# Altium PCB powerboard1.PcbDoc
Units mm, origin at the board's own origin, x right, y up, seen from the top; angles counter-clockwise.
Board outline 92 x 120 mm, 2 copper layers (Top Layer, Bottom Layer), stack 1.53 mm thick; 88 components, 61 nets, 381 pads, 82 vias.
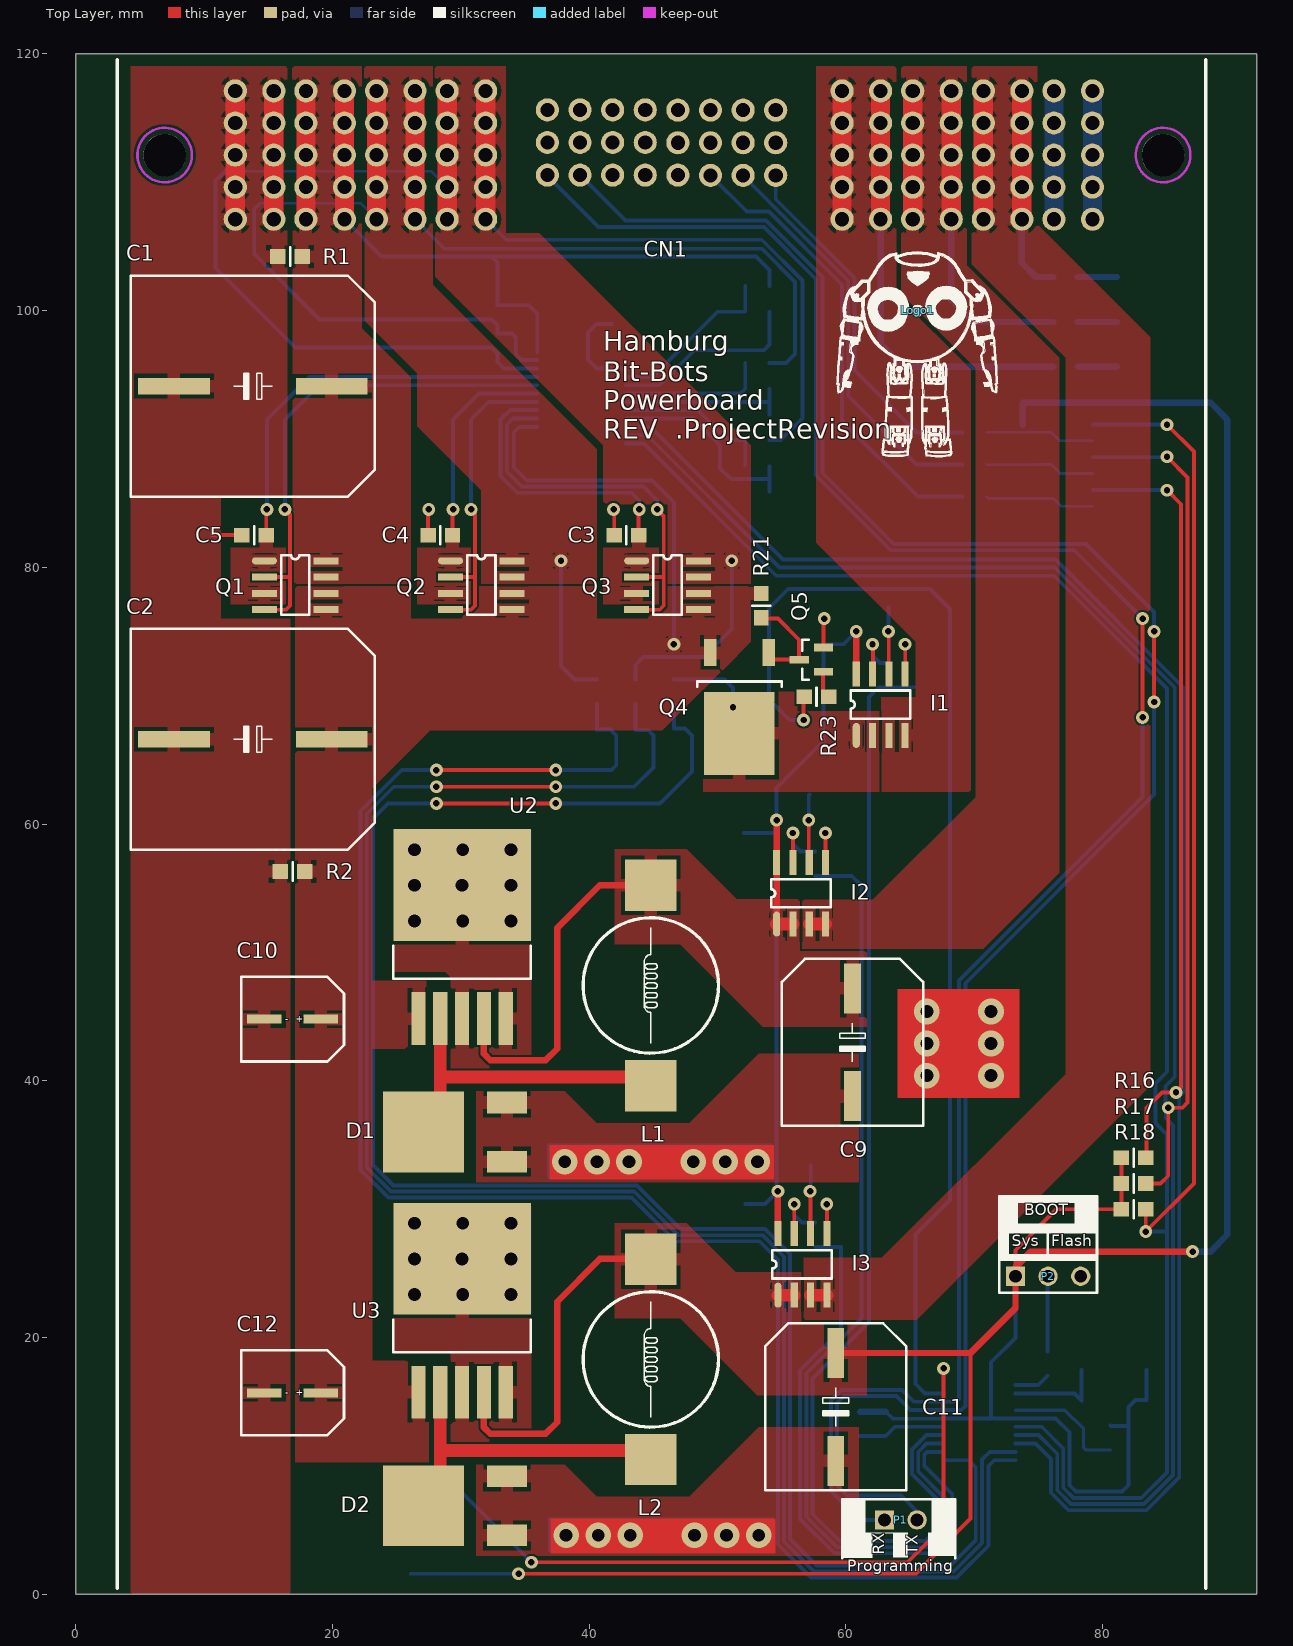
[diagram p0: Top Layer view]
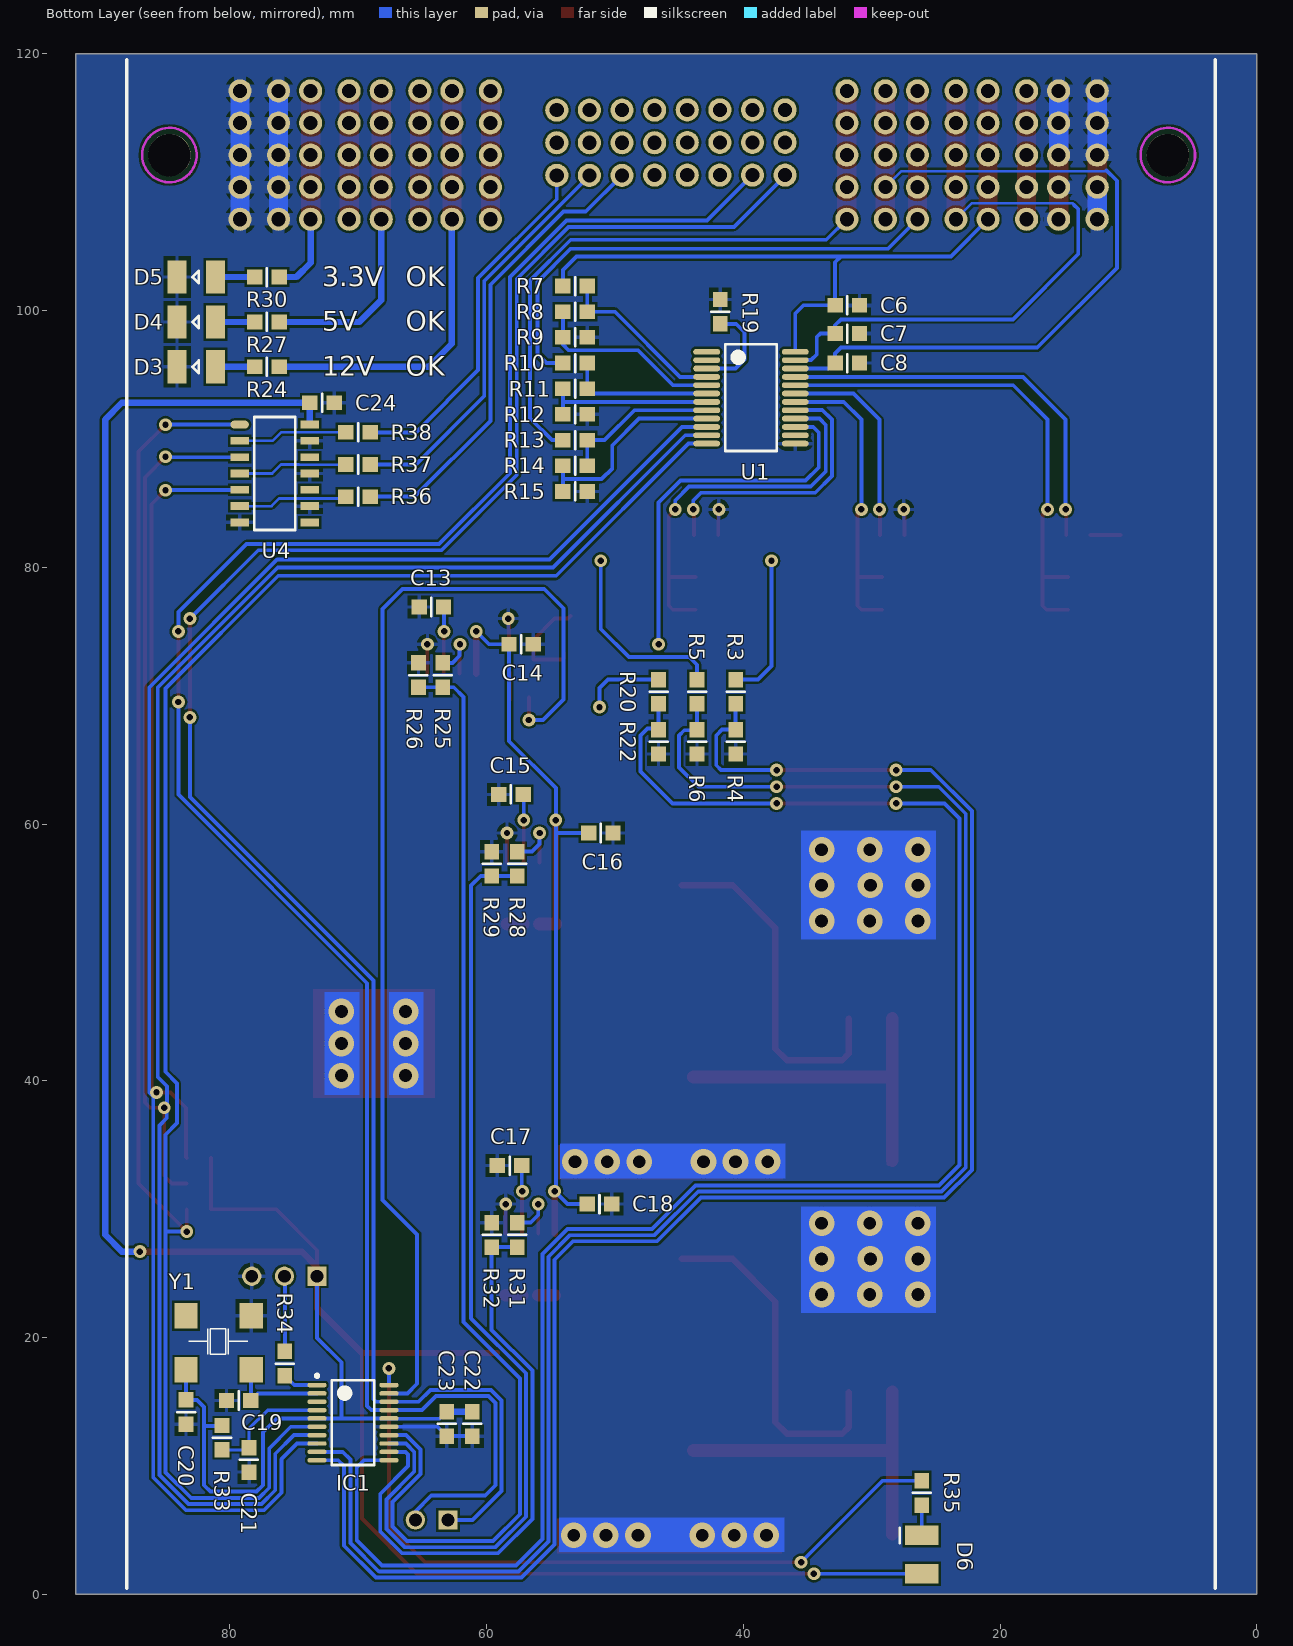
[diagram p1: Bottom Layer view, seen from below]
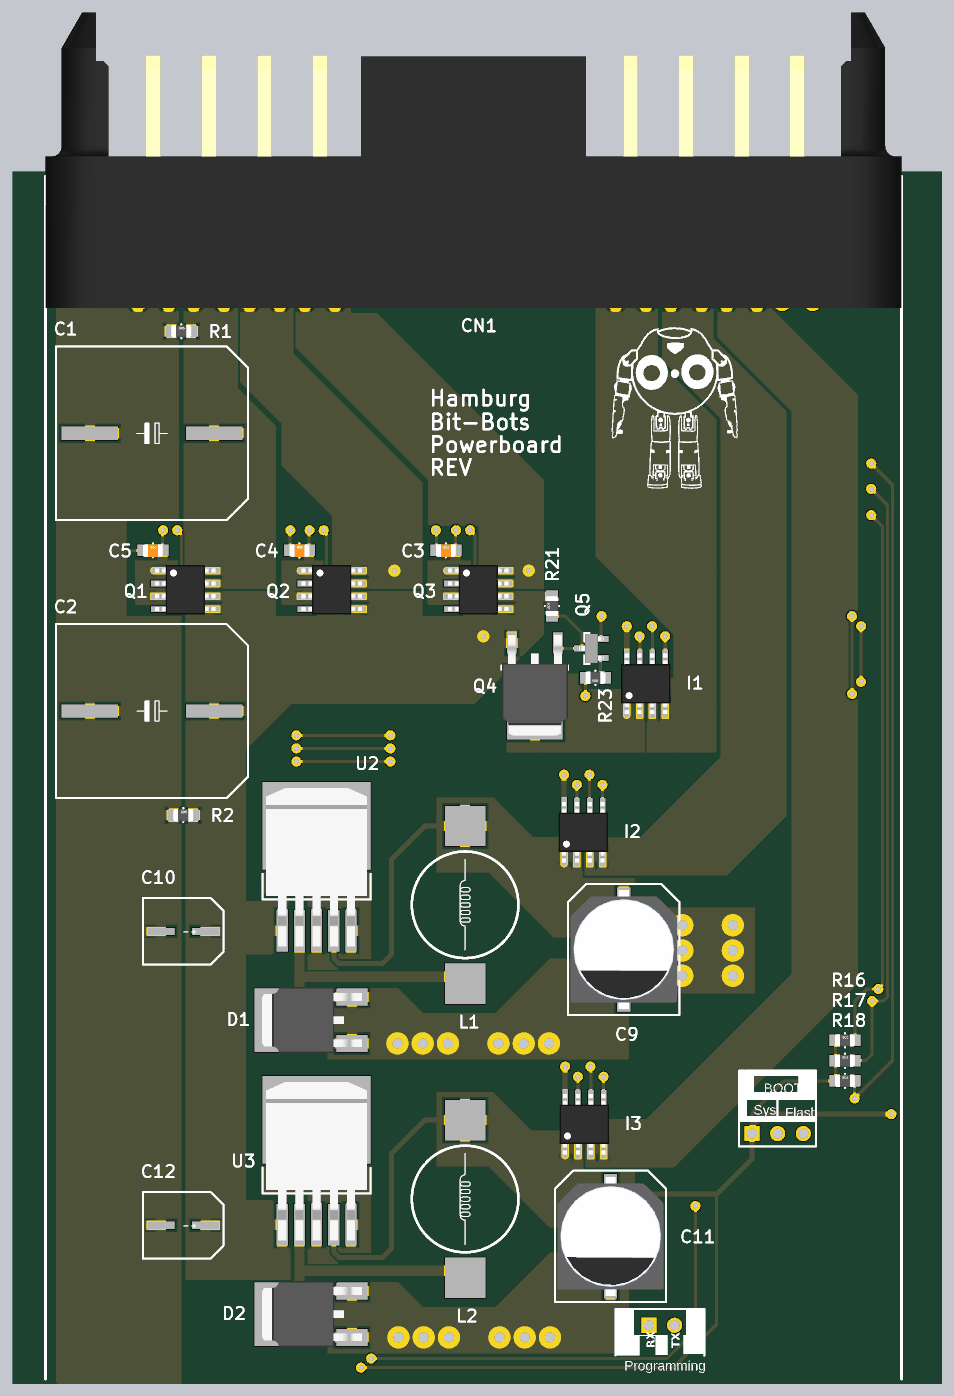
[diagram p2: 3D render of the assembled board from above, using the file's embedded part models]
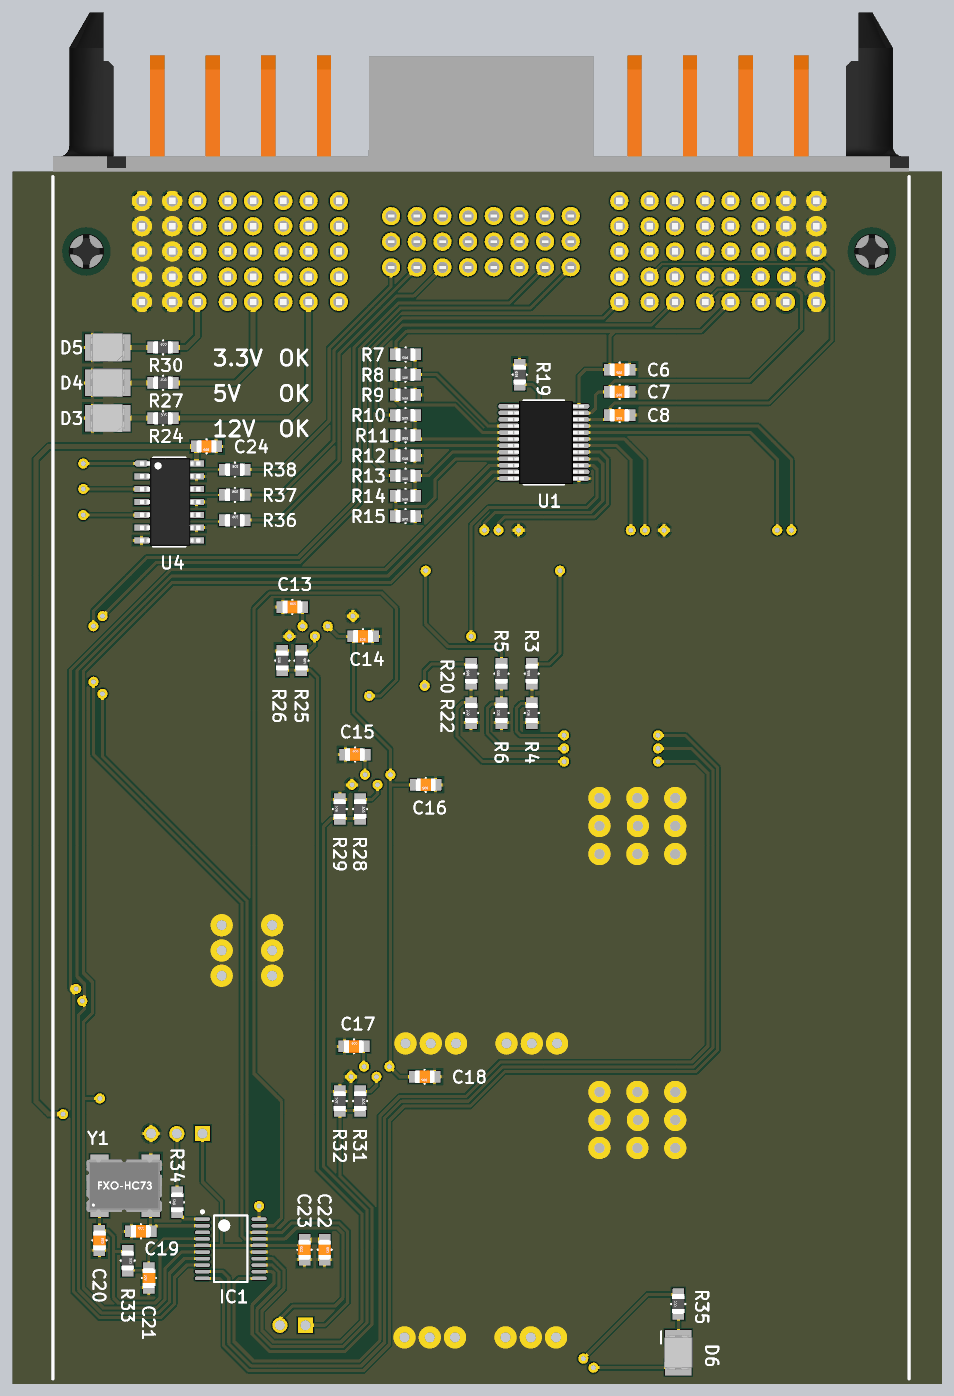
[diagram p3: 3D render of the assembled board from below, using the file's embedded part models]

## Layer stack, top to bottom
Top Solder: solder mask 0.0102, Solder Resist, Dk 3.5
Top Layer: signal copper 0.07
Dielectric 1: core 1.39, FR-4, Dk 4.6
Bottom Layer: signal copper 0.07
Solder Side: solder mask 0.0102, Solder Resist, Dk 3.5

## Board outline
0,0 92,0 92,120 0,120

## Design rules (kind name [scope] priority, off if disabled: settings)
Clearance Clearance-xPP-xTP-xTT [All] p1: gap=0.175
ComponentClearance [All] p1: gap=0.25 collisioncheckmode=3 verticalgap=0.25 showdistances=FALSE
DiffPairsRouting [All] p1: maxlimit=0.25 minlimit=0.25 mostfreqgap=0.25 toplayer_minwidth=0.381 toplayer_maxwidth=0.381 toplayer_prefwidth=0.381 bottomlayer_minwidth=0.381 bottomlayer_maxwidth=0.381 bottomlayer_prefwidth=0.381 maxuncoupledlength=12.5
Height [All] p1: minheight=0 maxheight=25 prefheight=12.5
HoleSize HoleSize-PTH [All] p1: absolutevalues=TRUE maxlimit=2 minlimit=0.25 maxpercent=80.000 minpercent=20.000
HoleToHoleClearance [All] p1: gap=0.15 allowstackedmicrovias=TRUE
MinimumAnnularRing "Minimum IAR  >0.45mm" [((ObjectKind = 'Pad') OR (ObjectKind = 'Via')) And (Layer = 'MultiLayer') And (HoleDiameter > AsMM(0.45))] p1: minimumring=0.25 // minimum inner annular ring for pads > 0.45mm finished hole size
MinimumAnnularRing "Minimum IAR <=0.45mm" [((ObjectKind = 'Pad') OR (ObjectKind = 'Via')) And (Layer = 'MultiLayer') And (HoleDiameter <= AsMM(0.45))] p2: minimumring=0.225 // minimum inner annular ring for pads <= 0.45mm finished hole size
MinimumSolderMaskSliver [All] p1: minsoldermaskwidth=0.1
PlaneClearance PlaneClearance-IPI [All] p1: clearance=0.4
PlaneConnect [All] p1: planeconnectstyle=Relief reliefexpansion=0.4 reliefentries=4 reliefconductorwidth=0.2 reliefairgap=0.2
PolygonConnect "Polygon-Power (Connector)" [All vs WithinRoom('ConnectorRoom')] p1: connectstyle=Relief reliefconductorwidth=1 reliefentries=4 polygonreliefangle="90 Angle" airgapwidth=0.3
PolygonConnect "Polygon-Power (Bottom)" [InNetClass('HighCurrent') vs Not InNet('GND')] p2: connectstyle=Relief reliefconductorwidth=1 reliefentries=4 polygonreliefangle="90 Angle" airgapwidth=0.3
PolygonConnect "Polygon-Power (TOP)" [InNetClass('HighCurrent') vs OnLayer('Top Layer')] p3: connectstyle=Relief reliefconductorwidth=1 reliefentries=4 polygonreliefangle="90 Angle" airgapwidth=0.3
PolygonConnect [All] p4: connectstyle=Relief reliefconductorwidth=0.3 reliefentries=4 polygonreliefangle="90 Angle" airgapwidth=0.3
RoomDefinition ConnectorRoom [WithinRoom('ConnectorRoom')] p1: confinementstyle=ConfineIn formatcopy=TRUE lockcomponents=FALSE outline 2.895,105.85 2.895,120 88.365,120 88.365,105.85
RoutingCorners [All] p1: cornerstyle=45-Degree minsetback=2.5 maxsetback=2.5
RoutingVias "RoutingVias > 0.45mm" [(ObjectKind = 'Via') And (HoleDiameter > AsMM(0.45))] p1: holewidth=0.5 width=1 viastyle="Through Hole" minholewidth=0.45 minwidth=0.95 maxholewidth=0.9 maxwidth=1.4 // finishet hole size > 0.45mm
RoutingVias "RoutingVias <= 0.45mm" [(ObjectKind = 'Via') And (HoleDiameter <= AsMM(0.45))] p2: holewidth=0.3 width=0.8 viastyle="Through Hole" minholewidth=0.25 minwidth=0.7 maxholewidth=0.5 maxwidth=1 // finishet hole size <= 0.45mm
SilkToSilkClearance [All] p1: silktosilkclearance=0.2
SilkToSolderMaskClearance SilkscreenOverComponentPads [IsPad] p1: minsilkscreentomaskgap=0.2 clearancetoexposedcopper=TRUE
SolderMaskExpansion [All] p1: expansion=0.1
Width Width-xTW [All] p1: maxlimit=1.5 minlimit=0.15 preferedwidth=0.2
19 further rules are at their usual default settings.

## Classes and differential pairs
net class LED_OUT[1..3]: LED_OUT1 LED_OUT2 LED_OUT3
net class Analog: I_+12V
component class CM: C13 C14 C15 C16 C17 C18 D3 D4 D5 I1 I2 I3 R24 R25 R26 R27 R28 R29 R30 R31 R32
component class connector: CN1 Logo1
component class UC: C19 C20 C21 C22 C23 C25 D6 IC1 P1 P2 R33 R34 R35 Y1
component class VR: C9 C10 C11 C12 D1 D2 L1 L2 Q4 Q5 R20 R21 R22 R23 U2 U3
component class VS: C1 C2 C3 C4 C5 C6 C7 C8 Q1 Q2 Q3 R1 R2 R3 R4 R5 R6 R7 R8 R9 R10 R11 R12 R13 R14 R15 R16 R17 R18 R19 U1
net class HighCurrent: +3V3 +3V3_OUT +5V +5V_OUT +12V +12V_OUT GND NetC3_2 NetC4_2 NetC5_2 V_BAK V_BAT V_EXT V_INT
component class LED_DRIVER: C24 R36 R37 R38 U4
component class "Room Definition 1": CN1

## Components (designator, comment, footprint, x,y, rotation, side; value= is the part's Value field where it differs from the comment)
C1 "2200uF" "CAP 16MM" 13.8,94.1 r180 top
C2 "2200uF" "CAP 16MM" 13.8,66.6 r180 top
C3 "100nF" C2012 42.9,82.5 r0 top
C4 "100nF" C2012 28.4,82.5 r0 top
C5 "100nF" C2012 13.9,82.5 r0 top
C6 "100nF" C2012 31.9,100.4 r0 bottom
C7 "100nF" C2012 31.9,98.2 r0 bottom
C8 "100nF" C2012 31.9,95.9 r0 bottom
C9 "330uF/6V" "CAP 10MM" 60.5,43 r270 top
C10 "100uF/25V" "CAP 6.3MM" 16.9,44.8 r180 top
C11 "330uF/6V" "CAP 10MM" 59.2,14.6 r270 top
C12 "100uF/25V" "CAP 6.3MM" 16.9,15.7 r180 top
C13 "1nF" C2012 64.3,76.9 r180 bottom
C14 "100nF" C2012 57.3,74 r0 bottom
C15 "1nF" C2012 58.1,62.3 r180 bottom
C16 "100nF" C2012 51.1,59.3 r0 bottom
C17 "1nF" C2012 58.2,33.4 r180 bottom
C18 "100nF" C2012 51.2,30.4 r0 bottom
C19 "15pF" C2012 79.3,15.1 r180 bottom
C20 "100nF" C2012 83.4,14.2 r270 bottom
C21 "100nF" C2012 78.5,10.475 r90 bottom
C22 "10uF" C2012 61.1,13.275 r270 bottom
C23 "100nF" C2012 63.1,13.275 r90 bottom
C24 "100nF" C2012 72.8,92.8 r0 bottom
CN1 "4-24-4-Connector" ET60T-04-24-04-L-RT1-GP 84.695,112.1 r180 top locked
D1 "STPS1045B" DPAK 30.4,36.1 r90 top
D2 "STPS1045B" DPAK 30.4,7 r90 top
D3 "12V-OK" MLCC2 82.6,95.6 r0 bottom
D4 "5V-OK" MLCC2 82.6,99.1 r0 bottom
D5 "3V3-OK" MLCC2 82.6,102.6 r0 bottom
D6 "Status-LED" MLCC2 26.1,3.1 r90 bottom
I1 "ACS712" SOIC8 60.8,66.9 r90 top
I2 "ACS712" SOIC8 54.6,52.2 r90 top
I3 "ACS712" SOIC8 54.7,23.3 r90 top
IC1 "STM32F030F4P6" STM-TSSOP20_L 70.4,13.375 r180 bottom
L1 "100uH" PISR 44.8,47.425 r90 top
L2 "100uH" PISR 44.8,18.3 r90 top
Logo1 "Hamburg Bit-Bots Logo" LOGO 65.6,100 r0 top
P1 "Programming" HDR1X2 63,5.8 r0 top
P2 "Boot0" HDR1X3 73.2,24.775 r0 top
Q1 "IRF7324" SOIC8 14.7,80.5 r0 top
Q2 "IRF7324" SOIC8 29.2,80.5 r0 top
Q3 "IRF7324" SOIC8 43.7,80.5 r0 top
Q4 "AP4435GH" TO-252_N 51.7,69.1 r270 top
Q5 "BC846BLT1G" SOT-23-TT3_N 57.3,72.8 r180 top
R1 "1M02" R2012 16.7,104.2 r0 top
R2 "1M02" R2012 16.9,56.3 r0 top
R3 "59k" R2012 40.6,70.3 r90 bottom
R4 "10k" R2012 40.6,66.4 r90 bottom
R5 "59k" R2012 43.6,70.3 r90 bottom
R6 "10k" R2012 43.6,66.4 r90 bottom
R7 "1M02" R2012 53.1,101.9 r0 bottom
R8 "51k1" R2012 53.1,99.9 r0 bottom
R9 "76k8" R2012 53.1,97.9 r0 bottom
R10 "1M02" R2012 53.1,95.9 r0 bottom
R11 "21k" R2012 53.1,93.9 r0 bottom
R12 "88k7" R2012 53.1,91.9 r0 bottom
R13 "1M02" R2012 53.1,89.9 r0 bottom
R14 "21k" R2012 53.1,87.9 r0 bottom
R15 "88k7" R2012 53.1,85.9 r0 bottom
R16 "255k" R2012 82.4,34 r0 top
R17 "255k" R2012 82.4,32 r0 top
R18 "255k" R2012 82.4,30 r0 top
R19 "255k" R2012 41.8,99.9 r90 bottom
R20 "59k" R2012 46.6,70.3 r90 bottom
R21 "10k" R2012 53.4,77 r90 top
R22 "10k" R2012 46.6,66.4 r90 bottom
R23 "10k" R2012 57.7,69.9 r180 top
R24 "6k8" R2012 77.1,95.6 r180 bottom
R25 "4k7" R2012 63.4,71.6 r270 bottom
R26 "13k" R2012 65.3,71.6 r90 bottom
R27 "2k2" R2012 77.1,99.1 r180 bottom
R28 "4k7" R2012 57.6,56.9 r270 bottom
R29 "13k" R2012 59.6,56.9 r90 bottom
R30 "820R" R2012 77.1,102.6 r180 bottom
R31 "4k7" R2012 57.6,28 r270 bottom
R32 "13k" R2012 59.6,28 r90 bottom
R33 "4k7" R2012 80.6,12.2 r270 bottom
R34 "4k7" R2012 75.7,17.975 r90 bottom
R35 "820R" R2012 26.1,7.9 r90 bottom
R36 "1K" R2012 70,85.5 r180 bottom
R37 "1K" R2012 70,88 r180 bottom
R38 "1K" R2012 70,90.5 r180 bottom
U1 "LTC4417CGN#PBF" SSOP24 39.4,93.2 r180 bottom
U2 "LM2576S-5.0/NOPB" TO263-5 30.1,51.2 r90 top
U3 "LM2576S-3.3" TO263-5 30.1,22.1 r90 top
U4 "74HC04" SOIC14 76.5,87.3 r180 bottom
Y1 "FXO-HC736R-16" FXO-HC73 83.4,21.7 r180 bottom

## Footprints (in the part's own frame and the unit in brackets; to place one, negate y for a bottom-side part, rotate by r counter-clockwise, add the part's x,y. Pads: shape width x height; smd on the part's side, far side on the other; paste and mask are expansions set on the pad)
C2012 [mm]
  rect 1.2x1.14 smd: 1(-0.95,0) 2(0.95,0)
  silkscreen extent 0,-0.7 0,0.7, body extent -1,-0.62 1,0.63, height 0.78
"CAP 6.3MM" [mm]
  rect 2.7x0.7 smd: 1(-2.2,0) 2(2.2,0)
  silkscreen extent -4,-3.3 4,3.3
"CAP 10MM" [mm]
  rect 3.9x1.3 smd: 1(-4.2,0) 2(4.2,0)
  silkscreen extent -6.5,-5.5 6.5,5.5, body extent -5.9,-5.25 5.9,5.25, height 10.5
"CAP 16MM" [mm]
  rect 5.6x1.3 smd: 1(-6.15,0) 2(6.15,0)
  silkscreen extent -9.5,-8.6 9.5,8.6
DPAK [mm]
  rect 1.7x3.1 smd: 1(-2.4,-3.2) 3(2.2,-3.2)
  rect 6.3x6.3 smd: 2(-0.1,3.3)
  body extent -3.37,-4.21 3.17,5.73, height 2.44
ET60T-04-24-04-L-RT1-GP [mm]
  round 3.3 hole 3.3 unplated: DH0(0,0) DH1(77.76,0)
  round 1.8 hole 1.1: P01(5.5,5) P01(5.5,-2.5) P01(5.5,0) P01(5.5,2.5) P01(5.5,-5) P01(8.5,-5) P01(8.5,-2.5) P01(8.5,0) P01(8.5,2.5) P01(8.5,5) P02(11,-5) P02(11,-2.5) P02(11,0) P02(11,2.5) P02(11,5) P02(14,-5) P02(14,-2.5) P02(14,0) P02(14,2.5) P02(14,5) P03(16.5,-5) P03(16.5,-2.5) P03(16.5,0) P03(16.5,2.5) P03(16.5,5) P03(19.5,-5) P03(19.5,-2.5) P03(19.5,0) P03(19.5,2.5) P03(19.5,5) P04(22,-5) P04(22,-2.5) P04(22,0) P04(22,2.5) P04(22,5) P04(25,-5) P04(25,-2.5) P04(25,0) P04(25,2.5) P04(25,5) P05(52.76,-5) P05(52.76,-2.5) P05(52.76,0) P05(52.76,2.5) P05(52.76,5) P05(55.76,-5) P05(55.76,-2.5) P05(55.76,0) P05(55.76,2.5) P05(55.76,5) P06(58.26,-5) P06(58.26,-2.5) P06(58.26,0) P06(58.26,2.5) P06(58.26,5) P06(61.26,-5) P06(61.26,-2.5) P06(61.26,0) P06(61.26,2.5) P06(61.26,5) P07(63.76,-5) P07(63.76,-2.5) P07(63.76,0) P07(63.76,2.5) P07(63.76,5) P07(66.76,-5) P07(66.76,-2.5) P07(66.76,0) P07(66.76,2.5) P07(66.76,5) P08(69.26,-5) P08(69.26,-2.5) P08(69.26,0) P08(69.26,2.5) P08(69.26,5) P08(72.26,-5) P08(72.26,-2.5) P08(72.26,0) P08(72.26,2.5) P08(72.26,5) S01(30.17,-3.5) S02(32.71,-3.5) S03(35.25,-3.5) S04(37.79,-3.5) S05(40.33,-3.52) S06(42.87,-3.52) S07(45.41,-3.52) S08(47.95,-3.52) S09(30.17,-0.96) S10(32.71,-0.96) S11(35.25,-0.96) S12(37.79,-0.96) S13(40.33,-0.98) S14(42.87,-0.98) S15(45.41,-0.98) S16(47.95,-0.98) S17(30.17,1.58) S18(32.71,1.58) S19(35.25,1.58) S20(37.79,1.56) S21(40.33,1.56) S22(42.87,1.56) S23(45.41,1.56) S24(47.95,1.56)
  body extent -3.31,-23.65 81.45,5.6, height 10
FXO-HC73 [mm]
  rect 1.8x2 smd: 1(0,0) 2(5.08,0) 3(5.08,-4.2) 4(0,-4.2)
  silkscreen extent 0.2,-3 4.8,-1, body extent -1.3,-4.71 6.2,0.51, height 1.41
HDR1X2 [mm] "Connector; Header; 2 Position"
  rect 1.5x1.5 hole 1: 1(0,0)
  round 1.5 hole 1: 2(2.54,0)
HDR1X3 [mm] "Connector; Header; 3 Position"
  rect 1.5x1.5 hole 1: 1(0,0)
  round 1.5 hole 1: 2(2.54,0) 3(5.08,0)
LOGO [mm] "Logo of Hamburg Bit-Bots"
  silkscreen extent -6.31,-11.39 6.2,4.6
MLCC2 [mm]
  rect 1.5x2.6 smd: 1(-1.5,0) 2(1.5,0)
  silkscreen extent -0.2,-0.5 0.3,0.5, body extent -1.75,-1.4 1.75,1.4, height 1.7